# Altium PCB fpga.PcbDoc (part 2 of 11) (continued)
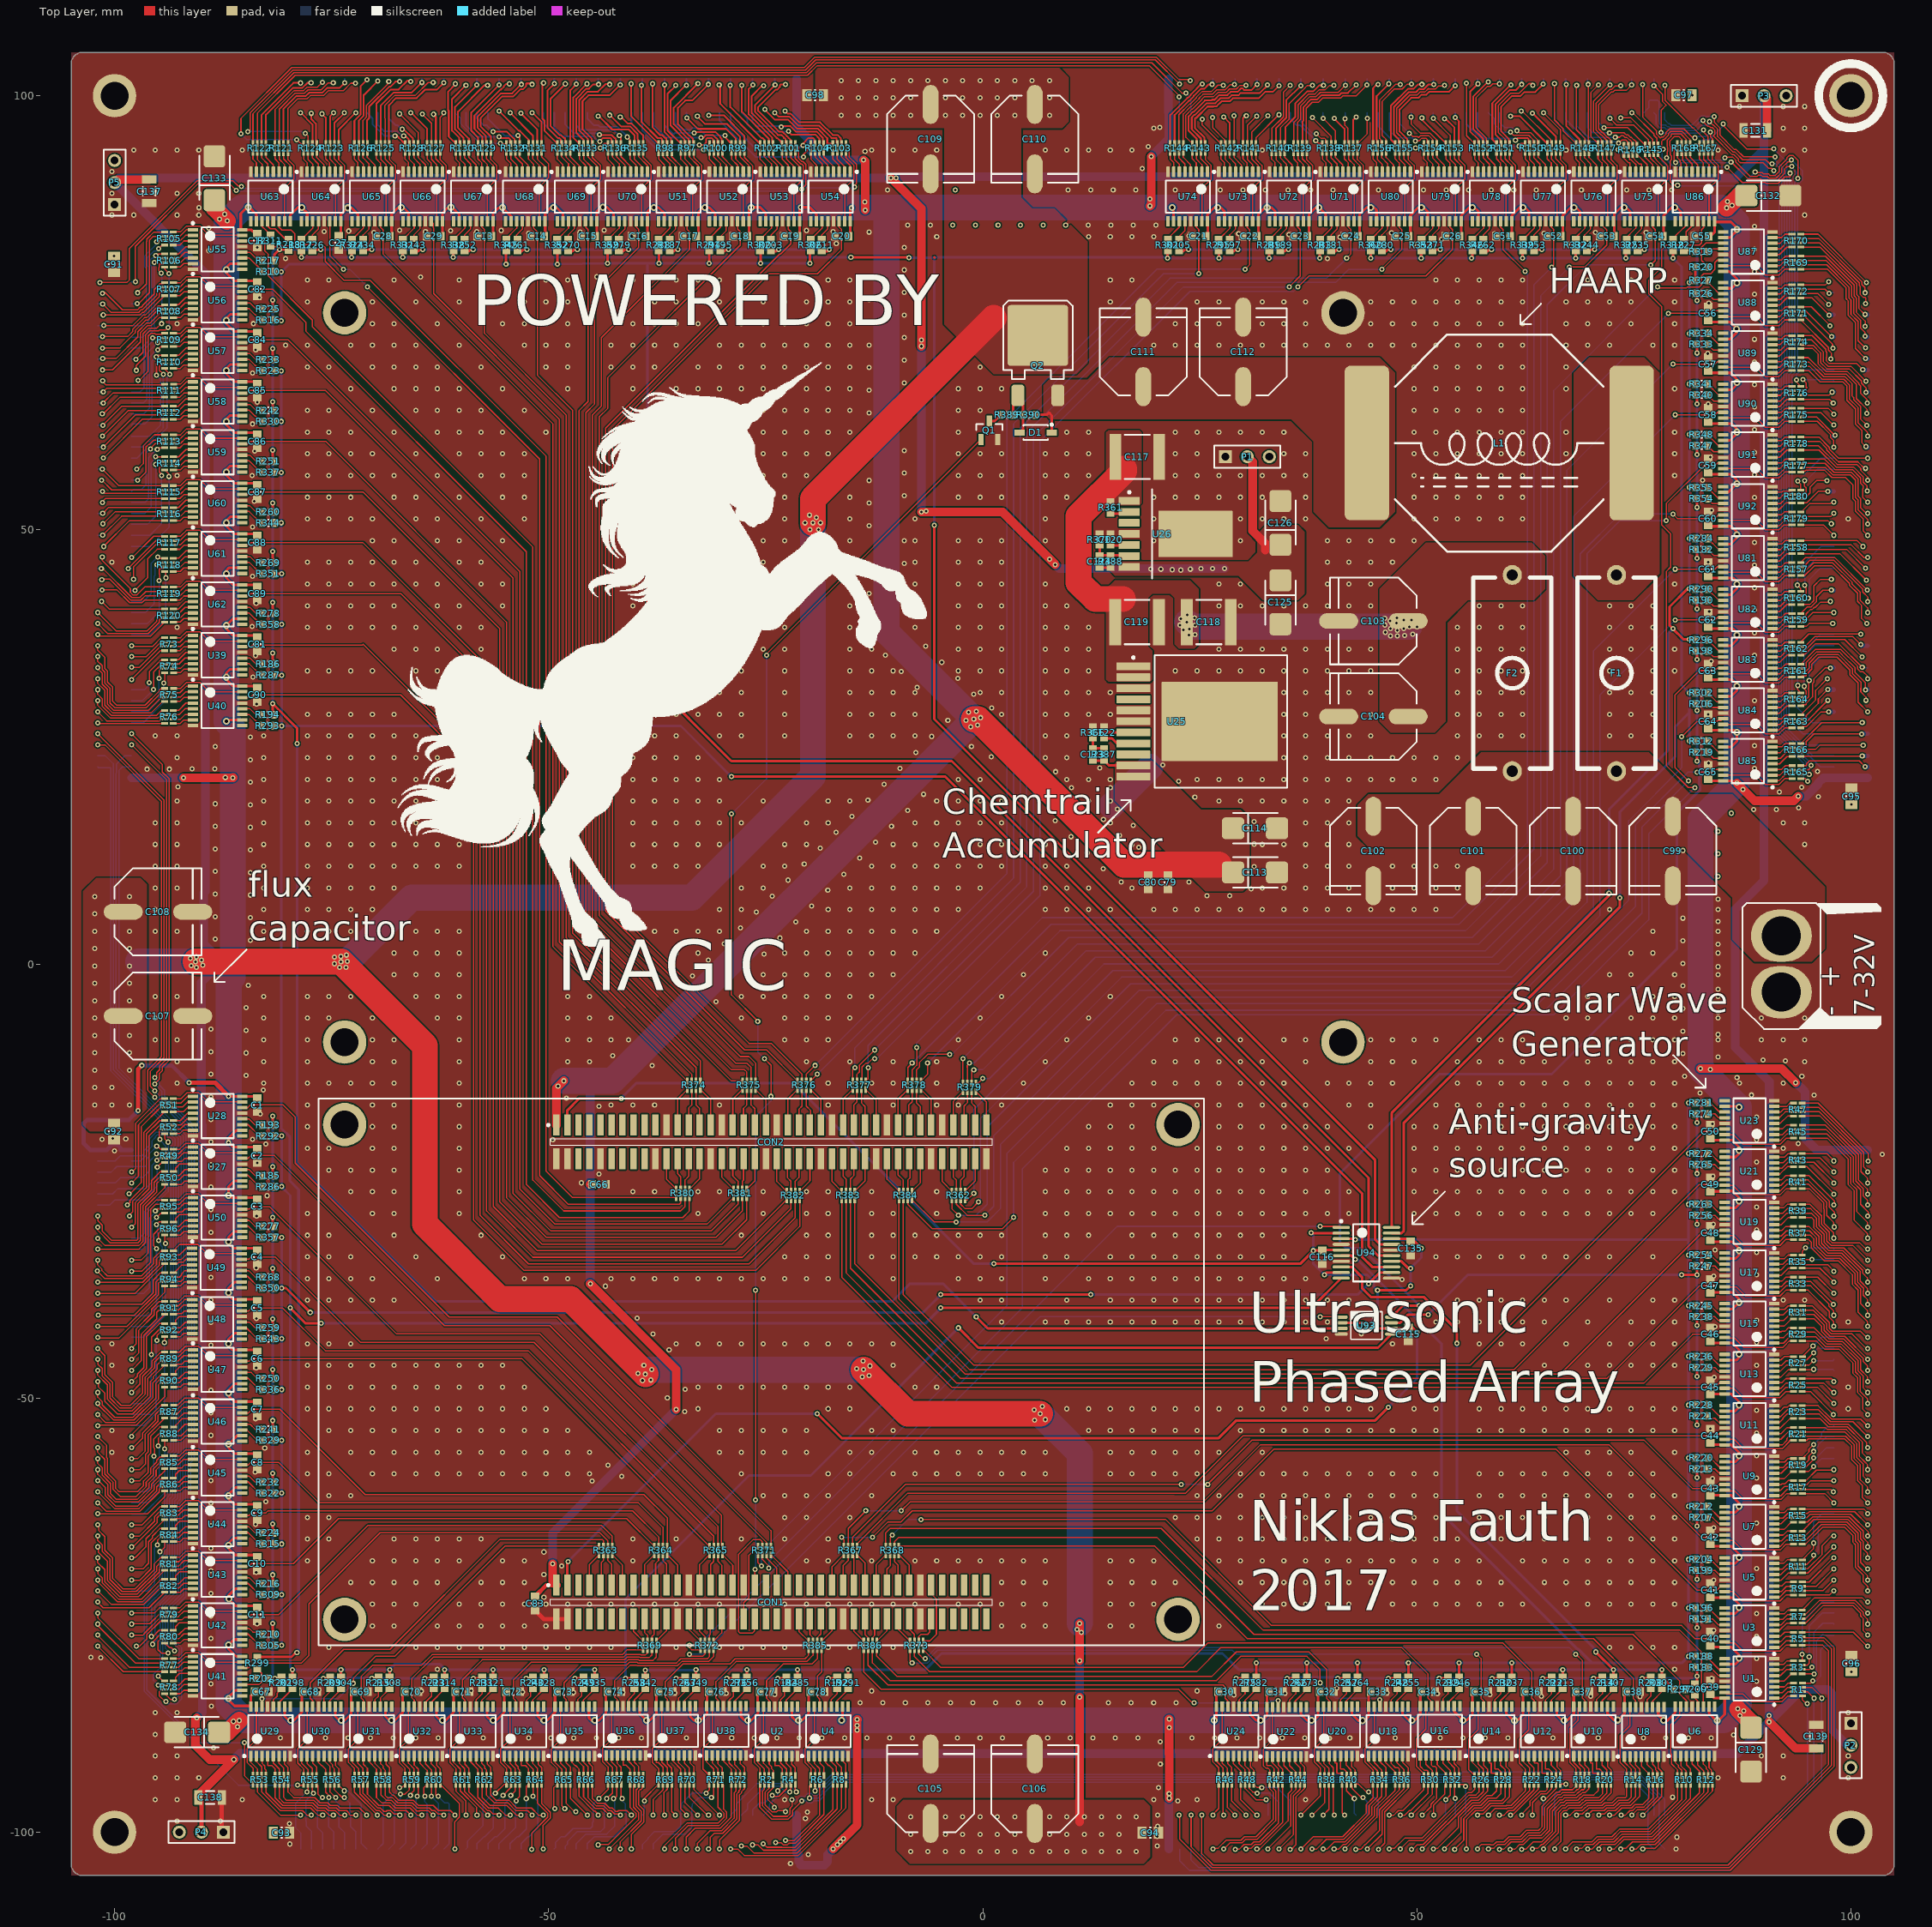
[diagram p0: Top Layer view]
## Nets (pads, with @x,y where several pads share a name; then routed paths per layer and width w, separated by ;. In a path a pad name is that pad's centre, name@x,y a point inside that pad or via, vN(x,y) a via of type N, cw(c..) or ccw(c..) an arc to the next point about the centre after c; other vN are vias at no path point) (continued)
  Top Layer w0.5: v3(-97.307,-16.891) -97.307,-12.116 v3(-96.876,-11.684) ; v3(-91.415,-13.691) -88.417,-13.691 v1(-86.868,-15.24) ; C83.2@-51.562,-72.86 -50.252,-71.55 CON1.1@-49.115,-71.55
  Top Layer w1: v1(-92.075,21.438) -86.411,21.438 -86.36,21.488 -86.36,21.456 v1(-86.378,21.438) ; v1(-49.53,-69.088) -49.53,-71.135 CON1.1@-49.115,-71.55 ; CON2.1@-49.115,-18.55 -49.115,-14.317 v1(-48.26,-13.462) ; v1(-45.212,-36.83) -35.306,-46.736 v1(-35.306,-51.308) ; v1(-45.212,-25.4) C66.2@-44.996,-25.4 ; v1(-17.221,-101.93) -14.478,-99.187 -14.478,-87.071 v1(-14.453,-87.046) ; v1(-13.716,92.608) -13.538,92.431 v1(-13.538,86.843) ; v1(19.279,87.3) 19.406,87.427 v1(19.406,93.015) ; v1(21.488,-96.088) 21.488,-90.983 21.463,-90.957 21.463,-86.995 v1(21.488,-86.97) ; v1(82.677,-12.065) 92.05,-12.065 v1(93.65,-13.665) ; v1(86.868,20.828) 88.9,18.796 93.421,18.796 v1(93.955,19.329)
  Top Layer w2: C133.2@-88.5,87.975 -88.5,87.027 v1(-87.046,85.573) ; C134.2@-87.975,-88.5 -87.001,-88.5 v1(-85.649,-87.147) ; v1(85.674,87.097) 85.725,87.097 87.128,88.5 C132.2@87.975,88.5 ; v1(86.97,-85.801) 88.5,-87.332 C129.2@88.5,-87.975
  Top Layer w3: v1(-1.016,28.194) -0.508,28.194 16.256,11.43 27.178,11.43
  Bottom Layer w0.5: J4.5@-98.05,-21.425 -99.3,-21.425 -99.3,-21.224 -99.71,-20.814 -100.29,-20.814 -100.901,-21.425 J4.6@-101.95,-21.425 -102.816,-21.425 -103.55,-20.691 -103.55,-18.349 -103.158,-17.958 -98.349,-17.958 -97.307,-16.916 v3(-97.307,-16.891) ; v3(-96.876,-11.684) -93.421,-11.684 v3(-91.415,-13.691)
  Bottom Layer w1: J5.6@-98.05,21.425 -92.088,21.425 v1(-92.075,21.438) ; v1(-49.53,-69.088) -49.53,-65.532 v1(-35.306,-51.308) ; v1(-45.212,-36.83) v1(-45.212,-25.4) -45.212,-13.462 ; J3.6@-21.425,-98.05 J3.5@-21.425,-101.95 -21.425,-102.4 -21.175,-102.65 -21.175,-103.419 -21.003,-103.592 -21.003,-103.8 -20.025,-103.8 -20.015,-103.81 -18.256,-103.81 -17.865,-103.419 -17.865,-102.574 v1(-16.053,-100.762) ; J6.6@-21.425,101.95 J6.5@-21.425,98.05 -21.425,96.399 -19.726,94.7 -19.726,93.913 -19.827,93.811 -19.827,93.64 -18.796,92.608 v1(-13.716,92.608) ; v1(19.406,93.015) 21.425,95.034 J7.6@21.425,98.05 21.375,98.1 21.375,101.9 J7.5@21.425,101.95 ; J2.6@21.425,-101.95 J2.5@21.425,-98.05 v1@21.425,-95.58 ; v1(93.65,-13.665) 94.742,-14.757 94.742,-20.117 96.05,-21.425 J1.6@98.05,-21.425 J1.5@101.95,-21.425 ; v1(93.955,19.329) 94.869,19.329 96.2,20.66 96.2,20.794 96.831,21.425 J8.5@98.05,21.425 J8.6@101.95,21.425
  Bottom Layer w3: v1(-48.26,-13.462) -45.212,-13.462 -42.672,-13.462 v1(-1.016,28.194) -11.074,38.252 -11.074,87.122 ; -11.074,87.122 v2(21.844,87.122) v2(27.051,87.122) v2(32.766,87.122) v2(38.735,87.122) v2(44.704,87.122) v2(50.546,87.122) v2(56.404,87.122) v2(62.23,87.122) v2(68.088,87.122) v2(73.872,87.122) v2(79.714,87.122) 85.09,87.122 86.868,85.344 v2(86.868,78.435) v2(86.868,66.98) v2(86.868,55.321) v2(86.868,49.454) v2(86.868,37.871) v2(86.868,32.004) v2(86.868,26.67) v1(86.868,20.828) 82.677,16.637 v1(82.677,-12.065) v2(87.122,-16.51) v2(87.122,-21.463) v2(87.122,-27.305) v2(87.122,-33.02) v2(87.122,-38.989) v2(87.122,-44.958) v2(87.122,-50.8) v2(87.122,-56.658) v2(87.122,-62.484) v2(87.122,-68.342) v2(87.122,-74.126) v2(87.122,-79.968) 87.122,-85.344 85.344,-87.122 v2(78.435,-87.122) v2(66.98,-87.122) v2(55.321,-87.122) v2(49.454,-87.122) v2(37.871,-87.122) v2(32.004,-87.122) v2(26.67,-87.122) v2(-16.256,-87.122) v2(-21.209,-87.122) v2(-27.051,-87.122) v2(-32.766,-87.122) v2(-38.735,-87.122) v2(-44.704,-87.122) v2(-50.546,-87.122) v2(-56.404,-87.122) v2(-62.23,-87.122) v2(-68.088,-87.122) v2(-73.872,-87.122) v2(-79.714,-87.122) -85.09,-87.122 -86.868,-85.344 v2(-86.868,-78.435) v2(-86.868,-66.98) v2(-86.868,-55.321) v2(-86.868,-49.454) v2(-86.868,-37.871) v2(-86.868,-32.004) v2(-86.868,-26.67) v1(-86.868,-15.24) -86.868,-2.017 -86.378,-1.527 v1(-86.378,21.438) -86.378,27.196 v2(-87.122,27.94) v2(-87.122,33.02) v2(-87.122,38.989) v2(-87.122,44.958) v2(-87.122,50.8) v2(-87.122,56.658) v2(-87.122,62.484) v2(-87.122,68.342) v2(-87.122,74.126) v2(-87.122,79.968) -87.122,85.344 -85.344,87.122 v2(-78.435,87.122) v2(-66.98,87.122) v2(-55.321,87.122) v2(-49.454,87.122) v2(-37.871,87.122) v2(-32.004,87.122) v2(-26.67,87.122) -11.074,87.122
  other v1: -16.758,-101.467 -16.408,-101.117 21.463,-95.58 -14.453,-88.24 21.488,-87.96 -85.827,-87.884 -14.453,-87.706 -86.309,-87.249 87.224,-86.589 87.655,-86.03 -48.92,-14.072 83.795,-12.141 87.554,20.117 -87.249,21.463 -1.372,27.305 -0.61,27.508 -1.93,28.067 -0.254,28.372 -1.626,29.007 -0.737,29.108 -87.935,85.776 -87.325,86.36 86.309,87.376 -13.589,87.782 85.801,87.833 19.253,88.113
12V: C124.2 C125.2 C126.2 C131.1 C137.1 C138.1 C139.1 P1.2 P2.2 P3.2 P4.2 P5.2 R388.2 U26.7 | length 891.4
  Top Layer w0.3: C124.2@13.462,45.655 R388.2@14.732,45.655
  Top Layer w0.5: C138.1@-90.35,-96 -90,-96.35 P4.2@-90,-100
  Top Layer w1: P5.2@-100,90 -99.65,90.35 C137.1@-96,90.35 ; v1(-90.526,-86.843) -90.703,-87.02 -90.703,-89.992 -89.052,-91.643 v1(-86.258,-91.643) -90.35,-95.735 C138.1@-90.35,-96 ; v1(-10.592,90.526) -7.061,86.995 v1(-7.061,71.145) ; v1(-7.061,52.045) 2.311,52.045 v1(8.357,45.999) ; P1.2@30.48,58.42 31.09,57.81 31.09,49.886 32.537,48.438 32.537,47.676 ; P3.2@90,100 90.35,99.65 C131.1@90.35,96 ; v1(90.602,-87.3) 93.652,-90.35 C139.1@96,-90.35
  Bottom Layer w1: v1(-90.526,-86.843) -89.878,-86.195 -89.878,-18.568 -90.018,-18.428 -90.018,-2.126 -88.528,-0.637 -88.528,1.145 -89.738,2.355 -89.738,8.179 -89.56,8.357 -89.56,79.56 P5.2@-100,90 -99.474,90.526 v1(-10.592,90.526) -10.455,90.663 80.429,90.663 80.566,90.526 86.716,90.526 90,93.81 P3.2@90,100 89.982,99.982 89.982,91.783 90,91.765 90,9.609 86.69,6.299 86.69,-9.627 90.602,-13.538 v1(90.602,-87.3) ; v1(-86.258,-91.643) -85.573,-90.957 86.944,-90.957 v1(90.602,-87.3) ; v1(-7.061,52.045) v1(-7.061,71.882) ; v1@7.531,46.825 8.814,45.542 v1(27.864,45.542) ; P2.2@100,-90 99.627,-90 97.79,-88.163 97.79,-84.023 97.317,-83.55 94.352,-83.55 v1(90.602,-87.3)
  other v1: 90.576,-86.589 22.835,45.364 21.819,45.415 20.523,45.466 23.927,45.466 19.38,45.491 25.121,45.542 26.467,45.542 7.722,46.609 -6.502,52.146 -9.957,90.526
CLK1: R212.1 R220.1 R228.1 R236.1 R245.1 R254.1 R263.1 R272.1 R281.1 U94.3 | length 112.3
  Top Layer w0.3: U94.3@41.296,-31.649 42.825,-31.649 v1(42.926,-31.75) ; v1(81.28,-56.896) R220.1@82.104,-56.896 ; v1(81.28,-50.8) R228.1@82.104,-50.8 ; v1(81.28,-45.212) R236.1@82.104,-45.212 ; v1(81.28,-39.37) R245.1@82.104,-39.37 ; v1(81.28,-33.528) R254.1@82.104,-33.528 ; v1(81.28,-27.686) R263.1@82.104,-27.686 ; v1(81.28,-21.844) R272.1@82.104,-21.844 ; v1(81.28,-16.002) R281.1@82.104,-16.002 ; v1(81.28,-62.484) R212.1@82.104,-62.484 v1(81.28,-62.484)
  Bottom Layer w0.3: v1(42.926,-31.75) 81.28,-31.75 ; v1(81.28,-62.484) v1(81.28,-56.896) v1(81.28,-50.8) v1(81.28,-45.212) v1(81.28,-39.37) ; v1(81.28,-16.002) v1(81.28,-21.844) ; v1(81.28,-39.37) v1(81.28,-33.528) ; v1(81.28,-39.37) v1(81.28,-33.528) ; v1(81.28,-33.528) v1(81.28,-27.686) ; v1(81.28,-33.528) 81.28,-31.75 ; 81.28,-31.75 v1(81.28,-27.686) ; v1(81.28,-27.686) v1(81.28,-21.844) ; v1(81.28,-27.686) v1(81.28,-21.844)
CLK2: R188.1 R196.1 R204.1 R237.1 R246.1 R255.1 R264.1 R273.1 R282.1 U94.6 | length 133
  Top Layer w0.3: R282.1@31.496,-82.104 v1(31.496,-80.518) ; R273.1@37.338,-82.104 v1(37.338,-80.518) ; U94.6@41.296,-33.599 42.489,-33.599 v1(42.926,-34.036) ; R264.1@43.18,-82.104 v1(43.18,-80.518) ; R255.1@49.022,-82.104 v1(49.022,-80.518) ; R246.1@54.864,-82.104 v1(54.864,-80.518) ; R237.1@60.96,-82.104 v1(60.96,-80.518) ; v1(81.28,-79.756) R188.1@82.104,-79.756 ; v1(81.28,-74.168) R196.1@82.104,-74.168 ; v1(81.28,-68.58) R204.1@82.104,-68.58
  Bottom Layer w0.3: v1(31.496,-80.518) v1(37.338,-80.518) v1(43.18,-80.518) v1(49.022,-80.518) v1(54.864,-80.518) v1(60.96,-80.518) 70.104,-80.518 ; v1(42.926,-34.036) 43.141,-34.036 52.832,-43.727 52.832,-63.246 68.488,-78.902 68.575,-78.902 70.104,-80.431 70.104,-80.518 ; v1(81.28,-68.58) v1(81.28,-74.168) v1(81.28,-79.756) 80.518,-80.518 70.104,-80.518
CLK3: R285.1 R291.1 R297.1 R303.1 R307.1 R313.1 R342.1 R349.1 R356.1 U94.8 | length 190.9
  Top Layer w0.3: R342.1@-38.862,-82.104 v1(-38.862,-81.356) ; R349.1@-33.02,-82.104 v1(-33.02,-81.28) ; R356.1@-27.178,-82.104 v1(-27.178,-81.28) ; R285.1@-21.336,-82.104 v1(-21.336,-81.28) ; R291.1@-15.494,-82.104 v1(-15.494,-81.28) ; U94.8@41.296,-34.899 42.519,-34.899 43.688,-36.068 43.688,-37.338 44.704,-38.354 50.8,-38.354 54.61,-42.164 v1(54.61,-43.688) ; R313.1@66.802,-82.104 v1(66.802,-81.28) ; v1(70.612,-79.248) v1(72.644,-81.28) R307.1@72.644,-82.104 ; v1(78.232,-81.28) R303.1@78.232,-82.104 79.564,-83.436 R297.1@79.564,-83.566
  Bottom Layer w0.3: v1(-38.862,-81.356) -33.096,-81.356 v1(-33.02,-81.28) v1(-27.178,-81.28) v1(-21.336,-81.28) v1(-15.494,-81.28) -6.601,-81.28 -5.704,-80.383 -5.704,-80.38 -4.739,-79.415 27.599,-79.415 29.464,-81.28 v1(66.802,-81.28) v1(72.644,-81.28) v1(78.232,-81.28) ; v1(54.61,-43.688) 54.61,-62.992 70.612,-78.994 v1(70.612,-79.248)
CLK4: R286.1 R292.1 R298.1 R304.1 R308.1 R314.1 R321.1 R328.1 R335.1 U94.10 | length 228.7
  Top Layer w0.3: R286.1@-81.596,-25.654 v1(-80.772,-25.654) ; R292.1@-81.596,-19.812 v1(-80.772,-19.812) ; v1(-79.756,-39.624) -77.978,-41.402 v1(-76.2,-41.402) ; R298.1@-79.502,-82.104 v1(-79.502,-81.28) ; R304.1@-73.914,-82.104 v1(-73.914,-81.28) ; R308.1@-68.326,-82.104 v1(-68.326,-81.28) ; R314.1@-61.976,-82.104 v1(-61.976,-81.28) ; R321.1@-56.388,-82.104 v1(-56.388,-81.28) ; R328.1@-50.546,-82.104 v1(-50.546,-81.28) ; R335.1@-44.704,-82.104 v1(-44.704,-81.28) ; v1(-4.826,-39.624) 37.871,-39.624 U94.10@41.296,-36.199
  Bottom Layer w0.3: v1(-80.772,-19.812) v1(-80.772,-25.654) -79.756,-26.67 v1(-79.756,-39.624) -79.756,-81.026 v1(-79.502,-81.28) v1(-73.914,-81.28) v1(-68.326,-81.28) -67.688,-80.642 -62.557,-80.642 -61.976,-81.223 v1(-61.976,-81.28) v1(-56.388,-81.28) v1(-50.546,-81.28) v1(-44.704,-81.28) ; v1(-76.2,-41.402) -6.604,-41.402 v1(-4.826,-39.624)
CLK5: R305.1 R309.1 R315.1 R322.1 R329.1 R336.1 R343.1 R350.1 R357.1 U94.12 | length 185.7
  Top Layer w0.3: R305.1@-81.596,-78.486 v1(-80.772,-78.486) ; R309.1@-81.596,-72.644 v1(-80.772,-72.644) ; R315.1@-81.596,-66.802 v1(-80.772,-66.802) ; R322.1@-81.596,-60.96 v1(-80.772,-60.96) ; R329.1@-81.596,-54.864 v1(-80.772,-54.864) ; R336.1@-81.596,-49.022 v1(-80.772,-49.022) ; R343.1@-81.596,-43.18 v1(-80.772,-43.18) ; R350.1@-81.596,-37.338 v1(-80.772,-37.338) -80.264,-37.338 v1(-77.47,-40.132) ; R357.1@-81.596,-31.496 v1(-80.772,-31.496) ; v1(-4.826,-38.1) v1(12.446,-38.1) ; v1(44.45,-36.83) 45.022,-36.258 45.731,-35.549 U94.12@47.096,-35.549
  Bottom Layer w0.3: v1(-80.772,-78.486) v1(-80.772,-72.644) v1(-80.772,-66.802) v1(-80.772,-60.96) v1(-80.772,-54.864) v1(-80.772,-49.022) v1(-80.772,-43.18) v1(-80.772,-37.338) v1(-80.772,-31.496) ; v1(-77.47,-40.132) -6.858,-40.132 v1(-4.826,-38.1) ; v1(12.446,-38.1) 12.446,-37.846 12.7,-38.1 43.18,-38.1 v1(44.45,-36.83)
CLK6: R287.1 R293.1 R299.1 R323.1 R330.1 R337.1 R344.1 R351.1 R358.1 U94.13 | length 318.2
  Top Layer w0.3: R299.1@-83.566,-79.818 -79.618,-79.818 -79.1,-79.3 v1(-79,-79.3) ; R293.1@-81.596,27.414 v1(-80.772,27.414) ; R287.1@-81.596,33.256 v1(-80.772,33.256) ; R358.1@-81.596,39.098 v1(-80.772,39.098) ; R351.1@-81.596,44.94 v1(-80.772,44.94) ; R344.1@-81.596,51.036 -81.36,50.8 v1(-80.8,50.8) ; R337.1@-81.596,56.878 -81.318,56.6 v1(-80.8,56.6) ; R330.1@-81.596,62.72 -81.376,62.5 v1(-80.8,62.5) ; R323.1@-81.596,68.562 -81.334,68.3 v1(-80.8,68.3) ; v1(-28.956,21.59) -4.318,21.59 43.688,-26.416 43.688,-33.73 44.857,-34.899 U94.13@47.096,-34.899
  Bottom Layer w0.3: v1(-80.8,68.3) v1(-80.8,62.5) v1(-80.8,56.6) v1(-80.8,50.8) -80.8,44.968 v1(-80.772,44.94) v1(-80.772,39.098) v1(-80.772,33.256) v1(-80.772,27.414) ; v1(-79,-79.3) -78.8,-79.1 -78.8,-26 -79.8,-25 -79.8,-19.935 -80.8,-18.935 -80.8,27.386 v1(-80.772,27.414) ; v1(-28.956,21.59) -34.78,27.414 v1(-80.772,27.414)
CLK7: R288.1 R294.1 R300.1 R306.1 R310.1 R316.1 R345.1 R352.1 R359.1 U94.15 | length 244.3
  Top Layer w0.3: R316.1@-81.596,74.168 -81.032,74.168 -81,74.2 -80.9,74.2 v1(-80.8,74.1) ; R310.1@-81.596,79.756 -81.54,79.7 v1(-80.8,79.7) ; v1(-54.9,80.6) -54.9,82.068 R345.1@-54.864,82.104 ; R352.1@-49.022,82.104 -49,82.082 v1(-49,80.6) ; v1(-43.2,80.7) -43.2,82.084 R359.1@-43.18,82.104 ; v1(-38.608,58.42) -38.608,33.02 -28.956,23.368 -3.556,23.368 44.45,-24.638 44.45,-32.512 45.537,-33.599 U94.15@47.096,-33.599 ; R288.1@-37.338,82.104 -37.3,82.066 v1(-37.3,80.7) ; v1(-31.5,80.7) -31.5,82.1 R294.1@-31.496,82.104 ; R300.1@-25.654,82.104 -25.7,82.058 -25.6,81.958 v1(-25.6,80.7) ; v1(-19.9,80.7) -19.9,82.016 R306.1@-19.812,82.104
  Bottom Layer w0.3: v1(-80.8,74.1) v1(-80.8,79.7) -79.89,80.61 -73.411,80.61 -73.401,80.6 v1(-54.9,80.6) v1(-49,80.6) v1(-43.2,80.7) -38.608,80.7 ; v1(-38.608,58.42) -38.608,80.7 ; v1(-19.9,80.7) v1(-25.6,80.7) v1(-31.5,80.7) v1(-37.3,80.7) -38.608,80.7
CLK8: R283.1 R289.1 R295.1 R301.1 R311.1 R317.1 R324.1 R331.1 R338.1 U94.17 | length 264.5
  Top Layer w0.15: R311.1@-82.042,82.612 -81.43,82.612 -81.217,82.825 -80.783,82.825 -80.637,82.679 -80.528,82.679 -80.502,82.704 -79.416,82.704 -79.095,82.383 -79.081,82.383 -79.045,82.347 -78.729,82.347 R317.1@-78.486,82.104
  Top Layer w0.3: v1(-78.5,81.4) -78.486,81.414 R317.1@-78.486,82.104 ; v1(-72.7,81.4) -72.7,82.048 R324.1@-72.644,82.104 ; R331.1@-66.802,82.104 -66.802,81.402 v1(-66.8,81.4) ; v1(-61,81.4) -61,82.064 R338.1@-60.96,82.104 ; v1(-15.189,81.382) -8.611,81.382 -8.534,81.458 -8.484,81.407 v1(-8.484,81.356) ; v1(-5.588,50.546) -5.588,28.194 45.212,-22.606 45.212,-31.75 45.761,-32.299 U94.17@47.096,-32.299 ; -5.563,81.382 -5.537,81.356 ; v1(21.3,81.3) 21.3,82.068 R301.1@21.336,82.104 ; R295.1@27.178,82.104 27.2,82.082 v1(27.2,81.3) ; v1(33,81.3) 33,82.084 R289.1@33.02,82.104 ; v1(38.8,81.3) 38.8,82.042 R283.1@38.862,82.104
  Bottom Layer w0.3: v1(-78.5,81.4) -72.8,81.4 -72.7,81.5 v1(-72.7,81.4) -67,81.4 -66.9,81.5 v1(-66.8,81.4) v1(-61,81.4) -15.145,81.4 -15.164,81.382 v1(-15.189,81.382) ; v1(-8.484,81.356) -5.588,81.356 ; v1(-5.588,50.546) -5.588,81.356 ; -5.537,81.356 -5.588,81.356 ; v1(38.8,81.3) 38.8,81.4 38.7,81.3 v1(33,81.3) v1(27.2,81.3) v1(21.3,81.3) 21.3,81.4 -5.588,81.4 -5.588,81.356
CLK9: R302.1 R312.1 R318.1 R325.1 R332.1 R339.1 R346.1 R353.1 R360.1 U94.19 | length 173.3
  Top Layer w0.3: v1(44.7,81.3) 44.704,81.304 R360.1@44.704,82.104 ; U94.19@47.096,-30.999 48.249,-30.999 48.514,-30.734 48.514,-18.288 73.406,6.604 v1(73.406,7.62) ; v1(50.5,81.3) 50.5,82.058 R353.1@50.546,82.104 ; v1(56.3,81.3) 56.388,81.388 R346.1@56.388,82.104 ; v1(62.2,81.3) 62.2,82.074 R339.1@62.23,82.104 ; v1(68.3,81.3) 68.3,82.078 R332.1@68.326,82.104 ; v1(74.1,81.3) 74.1,82.036 R325.1@74.168,82.104 ; v1(79.5,81.3) 79.5,82.102 R318.1@79.502,82.104 ; v1(81.4,25.7) 81.5,25.6 81.554,25.654 R312.1@82.104,25.654 ; v1(81.4,31.2) 82.062,31.2 R302.1@82.104,31.242
  Bottom Layer w0.3: v1(44.7,81.3) v1(50.5,81.3) v1(56.3,81.3) v1(62.2,81.3) v1(68.3,81.3) v1(74.1,81.3) v1(79.5,81.3) 80.5,80.3 80.5,32.1 v1(81.4,31.2) 81.4,28.956 ; v1(73.406,7.62) 73.406,17.526 79.756,23.876 79.756,27.312 81.4,28.956 ; v1(81.4,25.7) 81.4,28.956
CLK10: R284.1 R290.1 R296.1 R320.1 R327.1 R334.1 R341.1 R348.1 R355.1 U94.20 | length 133.4
  Top Layer w0.3: U94.20@47.096,-30.349 47.096,-17.166 72.136,7.874 v1(72.136,8.128) ; v1(81.4,49) 82.082,49 R284.1@82.104,49.022 ; v1(81.4,54.9) 82.068,54.9 R355.1@82.104,54.864 ; v1(81.4,61) 82.064,61 R348.1@82.104,60.96 ; v1(81.4,66.8) 81.402,66.802 R341.1@82.104,66.802 ; v1(81.4,72.6) 82.06,72.6 R334.1@82.104,72.644 ; v1(81.4,78.5) 81.5,78.4 81.586,78.486 82.104,78.486 R320.1@82.104,80.01 ; R296.1@82.104,37.338 82.042,37.4 v1(81.4,37.4) 80.71,37.4 v1(79.502,38.608) 79.115,38.995 79.115,41.148 81.167,43.2 v1(81.4,43.2) 82.084,43.2 R290.1@82.104,43.18
  Bottom Layer w0.3: v1(72.136,8.128) 72.136,17.78 78.994,24.638 78.994,38.1 v1(79.502,38.608) ; v1(81.4,43.2) v1(81.4,49) v1(81.4,54.9) v1(81.4,61) 81.4,66.6 81.3,66.7 v1(81.4,66.8) v1(81.4,72.6) 81.4,78.3 81.3,78.4 v1(81.4,78.5)
D_EN1: R384.6 U23.14 | length 120.2
  Top Layer w0.15: R384.6@-9.14,-27.17 -9.14,-38.104 -1.016,-46.228 56.134,-46.228 83.058,-19.304 84.582,-19.304 84.877,-19.009 U23.14@85.47,-19.009
D_EN2: R383.8 U19.14 | length 119.7
  Top Layer w0.15: R383.8@-14.744,-27.17 -14.744,-34.532 -2.032,-47.244 66.548,-47.244 82.804,-30.988 84.582,-30.988 84.877,-30.693 U19.14@85.47,-30.693
D_EN3: R383.6 U15.14 | length 117.3
  Top Layer w0.15: R383.6@-15.744,-27.17 -15.744,-35.564 -3.048,-48.26 76.2,-48.26 81.788,-42.672 84.582,-42.672 84.877,-42.377 U15.14@85.47,-42.377
D_EN4: R367.5 U11.14 | length 105.5
  Top Layer w0.15: R367.5@-14.49,-67.064 -14.49,-66.814 -8.636,-60.96 22.118,-60.96 22.135,-60.977 23.351,-60.977 29.972,-54.356 84.582,-54.356 84.836,-54.102 85.469,-54.102 U11.14@85.47,-54.103
D_EN5: R367.7 U7.14 | length 111.5
  Top Layer w0.15: R367.7@-15.49,-67.064 -15.49,-65.02 v1(-13.462,-62.992) ; v1(-9.398,-62.992) -8.382,-61.976 25.4,-61.976 32.004,-55.372 72.136,-55.372 82.804,-66.04 84.582,-66.04 84.836,-65.786 85.469,-65.786 U7.14@85.47,-65.787
  Bottom Layer w0.15: v1(-13.462,-62.992) v1(-9.398,-62.992)
D_EN6: R368.7 U3.14 | length 103.8
  Top Layer w0.15: R368.7@-10.664,-67.064 -10.664,-66.036 v1(-10.414,-65.786) ; v1(-7.112,-64.008) 21.082,-64.008 33.274,-76.2 80.518,-76.2 82.042,-77.724 84.582,-77.724 84.877,-77.429 U3.14@85.47,-77.429
  Bottom Layer w0.15: v1(-10.414,-65.786) -8.636,-64.008 v1(-7.112,-64.008)
D_EN7: R386.6 U24.14 | length 46.3
  Top Layer w0.15: R386.6@-13.204,-78.986 -13.204,-80.776 -10.922,-83.058 27.686,-83.058 27.94,-83.312 27.94,-84.582 28.235,-84.877 U24.14@28.235,-85.542
D_EN8: R386.8 U20.14 | length 59.9
  Top Layer w0.15: R386.8@-12.204,-78.986 -12.204,-79.744 -9.906,-82.042 26.416,-82.042 29.21,-79.248 37.592,-79.248 39.624,-81.28 39.624,-84.582 39.919,-84.877 U20.14@39.919,-85.542
D_EN9: R373.6 U16.14 | length 67
  Top Layer w0.15: R373.6@-7.87,-78.986 -7.87,-79.76 -6.096,-81.534 24.638,-81.534 27.432,-78.74 48.26,-78.74 51.308,-81.788 51.308,-84.582 51.704,-84.978 U16.14@51.704,-85.486
D_EN10: R373.8 U12.14 | length 77.6
  Top Layer w0.15: R373.8@-6.87,-78.986 -4.83,-81.026 23.114,-81.026 25.908,-78.232 59.944,-78.232 63.246,-81.534 63.246,-84.582 63.541,-84.877 U12.14@63.541,-85.542
D_EN11: R368.5 U8.14 | length 94.3
  Top Layer w0.15: R368.5@-9.664,-67.064 19.82,-67.064 30.48,-77.724 70.358,-77.724 74.93,-82.296 74.93,-84.582 75.214,-84.866 U8.14@75.214,-85.598
D_EN12: R385.8 U4.14 | length 6.9
  Top Layer w0.15: U4.14@-18.755,-85.542 -18.796,-85.501 -18.796,-84.671 -19.05,-84.417 -19.05,-82.042 -18.554,-81.546 R385.8@-18.554,-78.986
D_EN13: R385.6 U38.14 | length 16
  Top Layer w0.15: U38.14@-30.51,-85.486 -30.48,-85.456 -30.48,-84.836 -30.734,-84.582 -30.734,-82.677 -28.402,-80.345 -20.274,-80.345 -19.554,-79.625 R385.6@-19.554,-78.986
D_EN14: R372.8 U36.14 | length 16.5
  Top Layer w0.15: U36.14@-42.082,-85.486 -42.082,-84.766 -42.418,-84.43 -42.418,-82.575 -40.598,-80.755 -39.9,-80.755 -39.844,-80.811 -35.134,-80.811 -34.668,-80.345 -31.577,-80.345 -31,-79.768 R372.8@-31,-78.986
D_EN15: R369.8 U34.14 | length 21.6
  Top Layer w0.15: U34.14@-53.807,-85.542 -53.807,-84.852 -54.077,-84.582 -54.077,-82.499 -52.032,-80.455 -41.146,-80.455 -40.846,-80.155 -39.652,-80.155 -39.596,-80.211 -37.971,-80.211 -37.604,-79.844 R369.8@-37.604,-78.986
D_EN16: R369.6 U32.14 | length 32.2
  Top Layer w0.15: U32.14@-65.491,-85.542 -65.491,-84.801 -65.786,-84.506 -65.786,-82.347 -63.294,-79.855 -41.395,-79.855 -41.095,-79.555 -39.403,-79.555 -39.347,-79.611 -38.861,-79.611 -38.604,-79.354 R369.6@-38.604,-78.986
D_EN17: R363.7 U30.14 | length 44.2
  Top Layer w0.15: U30.14@-77.175,-85.542 -77.175,-84.877 -77.47,-84.582 -77.47,-82.804 -73.609,-78.943 -68.275,-78.943 -55.626,-66.294 -43.833,-66.294 -43.688,-66.439 -43.688,-67.06 R363.7@-43.684,-67.064
D_EN18: R371.5 U28.14 | length 86.2
  Top Layer w0.15: U28.14@-85.288,-16.551 -84.648,-16.551 -84.328,-16.231 -80.594,-16.231 -79.197,-17.628 -79.197,-22.936 -61.468,-40.665 -49.022,-40.665 -24.396,-65.291 R371.5@-24.396,-67.064
D_EN19: R365.5 U50.14 | length 73.6
  Top Layer w0.15: U50.14@-85.288,-28.235 -84.445,-28.235 -84.176,-27.965 -82.169,-27.965 -67.513,-42.621 -51.003,-42.621 -30.109,-63.515 -30.109,-66.939 R365.5@-29.984,-67.064
D_EN20: R365.7 U48.14 | length 66.5
  Top Layer w0.15: U48.14@-85.344,-39.96 -84.537,-39.96 -84.226,-39.649 -80.62,-39.649 -75.717,-44.552 -52.349,-44.552 -30.984,-65.917 R365.7@-30.984,-67.064
D_EN21: R364.5 U46.14 | length 57.6
  Top Layer w0.15: U46.14@-85.288,-51.73 -84.598,-51.73 -84.15,-51.283 -80.975,-51.283 -71.145,-61.112 -39.04,-61.112 -36.334,-63.818 R364.5@-36.334,-67.064
D_EN22: R364.7 U44.14 | length 50.5
  Top Layer w0.15: U44.14@-85.288,-63.541 -84.521,-63.541 -84.201,-63.221 -82.575,-63.221 -82.347,-62.992 -40.335,-62.992 -37.334,-65.993 R364.7@-37.334,-67.064
D_EN23: R363.5 U42.14 | length 48.7
  Top Layer w0.15: U42.14@-85.288,-75.225 -84.521,-75.225 -84.226,-74.93 -81.077,-74.93 -70.815,-64.668 -43.917,-64.668 -42.684,-65.901 R363.5@-42.684,-67.064
D_EN24: R382.8 U40.14 | length 127.5
  Top Layer w0.15: U40.14@-85.288,30.693 -84.369,30.693 -84.074,30.988 -67.056,30.988 -58.674,22.606 -58.674,-29.464 -52.832,-35.306 -26.162,-35.306 -21.082,-30.226 -21.082,-27.432 -21.094,-27.444 R382.8@-21.094,-27.17
D_EN25: R382.6 U62.14 | length 134.2
  Top Layer w0.15: U62.14@-85.288,42.377 -84.623,42.377 -84.328,42.672 -67.056,42.672 -57.15,32.766 -57.15,-28.448 -51.816,-33.782 -27.686,-33.782 -22.094,-28.19 R382.6@-22.094,-27.17
D_EN26: R381.8 U60.14 | length 136.5
  Top Layer w0.15: U60.14@-85.288,54.061 -84.623,54.061 -84.328,54.356 -71.374,54.356 -55.626,38.608 -55.626,-27.432 -50.8,-32.258 -29.996,-32.258 -27.19,-29.452 R381.8@-27.19,-26.916
D_EN27: R381.6 U58.14 | length 140.8
  Top Layer w0.15: U58.14@-85.288,65.745 -84.849,65.745 -84.554,66.04 -75.692,66.04 -54.102,44.45 -54.102,-26.416 -49.784,-30.734 -31.242,-30.734 -28.194,-27.686 -28.194,-26.92 R381.6@-28.19,-26.916
D_EN28: R380.8 U56.14 | length 141.1
  Top Layer w0.15: U56.14@-85.288,77.429 -84.369,77.429 -84.074,77.724 -81.788,77.724 -77.978,73.914 -77.978,72.898 -52.578,47.498 -52.578,-25.4 -48.768,-29.21 -34.544,-29.21 -33.794,-28.46 R380.8@-33.794,-26.916
D_EN29: R376.7 U54.14 | length 123.9
  Top Layer w0.15: R376.7@-20.824,-13.47 -20.824,-12.704 -24.384,-9.144 -26.924,-9.144 -42.672,6.604 -42.672,61.468 -24.638,79.502 -19.05,79.502 -16.256,82.296 -16.256,84.582 -16.551,84.877 U54.14@-16.551,85.542
D_EN30: R375.5 U52.14 | length 113.9
  Top Layer w0.15: U52.14@-28.235,85.542 -28.235,84.623 -27.94,84.328 -27.94,82.804 -43.18,67.564 -43.18,64.008 -44.196,62.992 -44.196,5.588 -27.94,-10.668 -26.924,-10.668 -26.174,-11.418 R375.5@-26.174,-13.47
D_EN31: R375.7 U70.14 | length 110.2
  Top Layer w0.15: U70.14@-39.919,85.542 -39.919,84.877 -39.624,84.582 -39.624,82.55 -44.704,77.47 -44.704,64.516 -45.72,63.5 -45.72,4.572 -28.956,-12.192 -27.432,-12.192 -27.174,-12.45 R375.7@-27.174,-13.47
D_EN32: R374.5 U68.14 | length 107
  Top Layer w0.15: U68.14@-51.73,85.542 -51.73,84.75 -51.308,84.328 -51.308,67.818 -47.244,63.754 -47.244,3.556 -32.524,-11.164 R374.5@-32.524,-13.47
D_EN33: R374.7 U66.14 | length 111.4
  Top Layer w0.15: U66.14@-63.541,85.542 -63.316,85.317 -63.316,84.808 -63.246,84.738 -63.246,77.216 -48.768,62.738 -48.768,2.54 -33.524,-12.704 R374.7@-33.524,-13.47
D_EN34: R380.6 U64.14 | length 138.7
  Top Layer w0.15: U64.14@-75.225,85.542 -75.184,85.501 -75.184,81.534 v1(-73.66,80.01) ; v1(-70.866,77.978) -51.054,58.166 -51.054,-24.384 -47.752,-27.686 -34.95,-27.686 -34.794,-27.53 R380.6@-34.794,-26.916
  Bottom Layer w0.15: v1(-73.66,80.01) -72.898,80.01 v1(-70.866,77.978)
D_EN35: R376.5 U74.14 | length 120
  Top Layer w0.15: R376.5@-19.824,-13.47 -19.82,-13.47 v1(-19.05,-12.7) ; U74.14@24.597,85.542 24.597,84.877 24.892,84.582 v1(24.892,79.502)
  Bottom Layer w0.15: v1(-19.05,-12.7) 3.556,9.906 3.556,62.23 20.828,79.502 v1(24.892,79.502)
D_EN36: R377.7 U72.14 | length 127.4
  Top Layer w0.15: R377.7@-14.474,-13.47 -14.478,-13.466 -14.478,-12.7 -14.207,-12.429 -14.207,-11.721 -14.224,-11.704 -14.224,-11.684 v1(-12.446,-9.906) ; v1(35.306,77.978) 36.576,79.248 36.576,84.582 36.281,84.877 U72.14@36.281,85.542
  Bottom Layer w0.15: v1(-12.446,-9.906) 5.842,8.382 5.842,60.706 23.114,77.978 v1(35.306,77.978)
D_EN37: R377.5 U80.14 | length 137.7
  Top Layer w0.15: R377.5@-13.474,-13.47 -13.208,-13.204 v1(-13.208,-11.938) ; v1(45.974,80.01) 48.26,82.296 48.26,84.582 47.965,84.877 U80.14@47.965,85.542
  Bottom Layer w0.15: v1(-13.208,-11.938) -13.208,-9.398 5.08,8.89 5.08,61.214 22.369,78.503 35.523,78.503 35.54,78.486 36.088,78.486 36.105,78.503 36.539,78.503 36.556,78.486 40.64,78.486 42.164,80.01 v1(45.974,80.01)
D_EN38: R378.7 U78.14 | length 157.3
  Top Layer w0.15: R378.7@-8.124,-13.47 -8.124,-12.188 -7.603,-11.667 -7.603,-9.669 v1(-7.62,-9.652) ; U78.14@59.649,85.542 59.649,84.877 59.944,84.582 59.944,82.296 v1(62.484,79.756)
  Bottom Layer w0.15: v1(-7.62,-9.652) -7.62,-9.144 6.858,5.334 54.102,5.334 62.738,13.97 62.738,79.502 v1(62.484,79.756)
D_EN39: R378.5 U76.14 | length 160.4
  Top Layer w0.15: R378.5@-7.124,-13.47 -6.35,-12.696 v1(-6.35,-11.43) ; v1(67.564,80.264) 69.342,80.264 71.882,82.804 71.882,84.554 71.333,85.103 U76.14@71.333,85.542
  Bottom Layer w0.15: v1(-6.35,-11.43) 8.89,3.81 55.626,3.81 64.262,12.446 64.262,76.962 v1(67.564,80.264)